# KiCad board Eclipse65.kicad_pcb (continued)
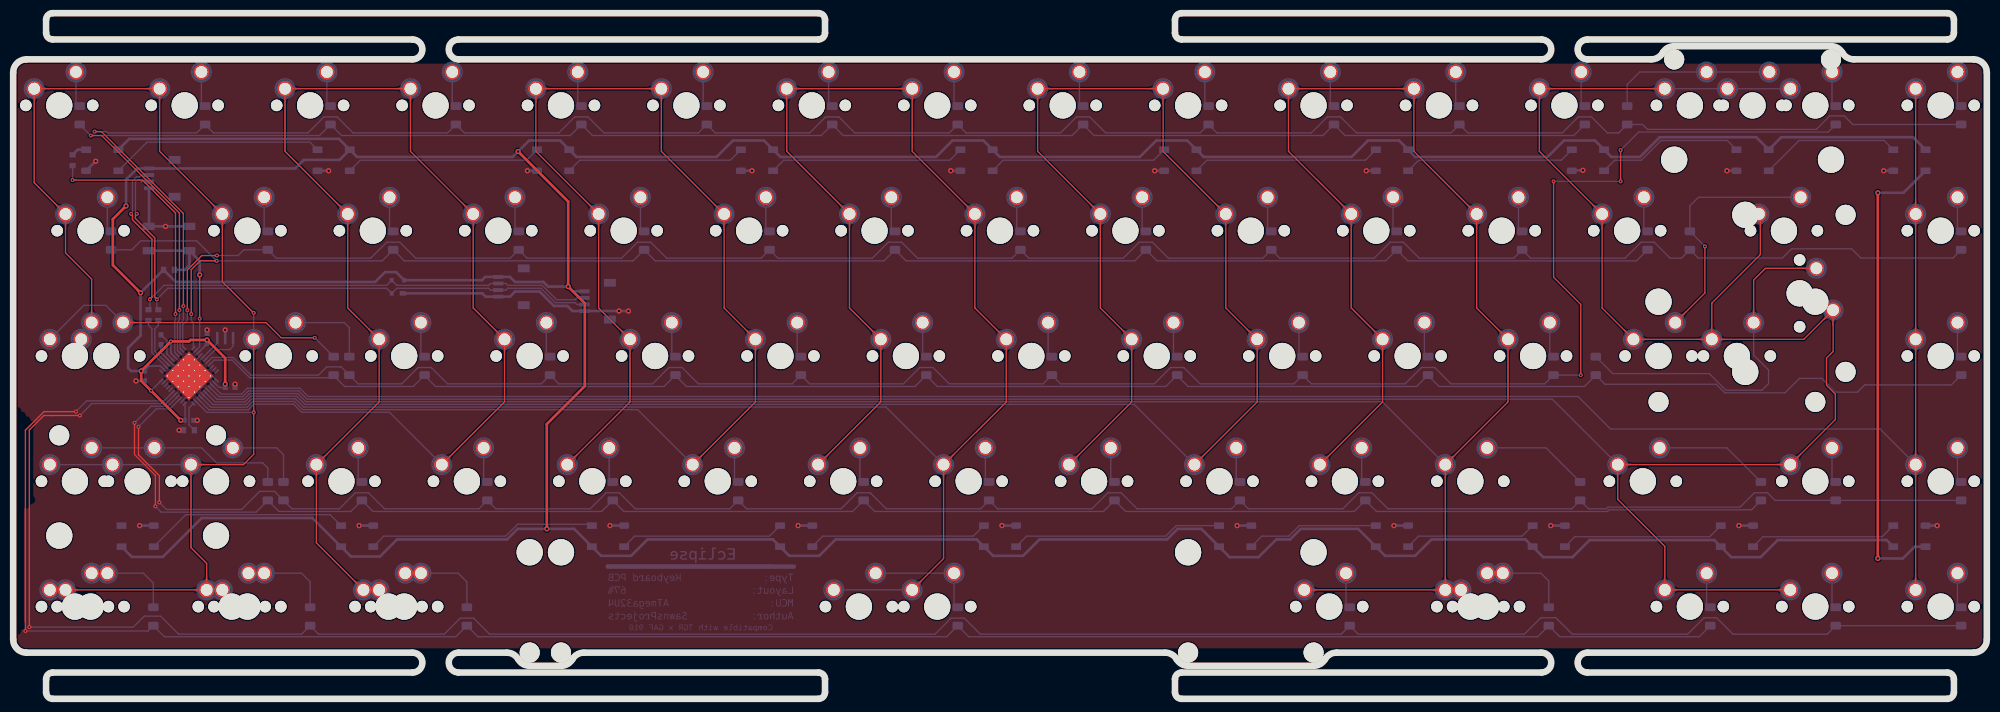
[diagram p0: board, top side]
## Copper pours and planes (outline as drawn; the poured copper is in the pictures) (continued)
Net-(D47-Pad2) on Bottom: 295.39,34.96 295.39,35.1 295.4,35.23 295.41,35.35 295.43,35.46 295.45,35.56 295.48,35.66 295.51,35.75 295.54,35.83 295.58,35.91 295.61,35.99 295.66,36.06 295.7,36.13 295.75,36.19 295.8,36.25 295.85,36.32 295.91,36.38 296.2,36.68 296.26,36.75 296.32,36.82 296.38,36.9 296.44,36.98 296.5,37.06 296.56,37.15 296.62,37.25 296.67,37.35 296.73,37.46 295.29,38.95 293.85,37.46 293.91,37.35 293.96,37.25 294.02,37.15 294.08,37.06 294.14,36.98 294.2,36.9 294.26,36.82 294.32,36.75 294.38,36.68 294.67,36.38 294.73,36.32 294.78,36.25 294.83,36.19 294.88,36.13 294.92,36.06 294.97,35.99 295,35.91 295.04,35.83 295.07,35.75 295.1,35.66 295.13,35.56 295.15,35.46 295.17,35.35 295.18,35.23 295.19,35.1 295.19,34.96
Net-(D48-Pad2) on Bottom: 295.39,16.71 295.39,16.82 295.4,16.91 295.41,17 295.42,17.08 295.43,17.16 295.45,17.23 295.47,17.3 295.5,17.36 295.52,17.42 295.55,17.48 295.58,17.53 295.62,17.58 295.65,17.63 295.69,17.68 296.07,18.11 296.11,18.16 296.16,18.22 296.2,18.29 296.24,18.35 296.29,18.42 296.33,18.5 296.37,18.58 295.29,19.7 294.21,18.58 294.25,18.5 294.29,18.42 294.34,18.35 294.38,18.29 294.42,18.22 294.47,18.16 294.51,18.11 294.89,17.68 294.93,17.63 294.96,17.58 295,17.53 295.03,17.48 295.06,17.42 295.08,17.36 295.11,17.3 295.13,17.23 295.15,17.16 295.16,17.08 295.17,17 295.18,16.91 295.19,16.82 295.19,16.71
Net-(D48-Pad2) on Bottom: 295.39,15.91 295.39,16.05 295.4,16.18 295.41,16.3 295.43,16.41 295.45,16.51 295.48,16.61 295.51,16.7 295.54,16.78 295.58,16.86 295.61,16.94 295.66,17.01 295.7,17.08 295.75,17.14 295.8,17.2 295.85,17.27 295.91,17.33 296.2,17.63 296.26,17.7 296.32,17.77 296.38,17.85 296.44,17.93 296.5,18.01 296.56,18.1 296.62,18.2 296.67,18.3 296.73,18.41 295.29,19.9 293.85,18.41 293.91,18.3 293.96,18.2 294.02,18.1 294.08,18.01 294.14,17.93 294.2,17.85 294.26,17.77 294.32,17.7 294.38,17.63 294.67,17.33 294.73,17.27 294.78,17.2 294.83,17.14 294.88,17.08 294.92,17.01 294.97,16.94 295,16.86 295.04,16.78 295.07,16.7 295.1,16.61 295.13,16.51 295.15,16.41 295.17,16.3 295.18,16.18 295.19,16.05 295.19,15.91
Net-(D49-Pad2) on Bottom: 15.11,38.25 14.97,38.26 14.85,38.27 14.73,38.28 14.62,38.29 14.51,38.32 14.42,38.34 14.33,38.37 14.24,38.4 14.16,38.44 14.09,38.48 14.02,38.52 13.95,38.57 13.89,38.62 13.82,38.67 13.76,38.72 13.7,38.77 13.39,39.06 13.32,39.12 13.25,39.18 13.18,39.24 13.1,39.3 13.02,39.36 12.93,39.42 12.83,39.48 12.73,39.54 12.62,39.59 11.12,38.15 12.62,36.71 12.73,36.77 12.83,36.83 12.93,36.89 13.02,36.95 13.1,37.01 13.18,37.07 13.25,37.13 13.32,37.19 13.39,37.25 13.7,37.54 13.76,37.59 13.82,37.64 13.89,37.69 13.95,37.74 14.02,37.79 14.09,37.83 14.16,37.87 14.24,37.91 14.33,37.94 14.42,37.97 14.51,37.99 14.62,38.02 14.73,38.03 14.85,38.04 14.97,38.05 15.11,38.05
Net-(D49-Pad2) on Bottom: 14.31,38.25 14.21,38.26 14.11,38.26 14.03,38.27 13.94,38.28 13.87,38.3 13.79,38.32 13.73,38.34 13.66,38.36 13.6,38.39 13.55,38.42 13.49,38.45 13.44,38.48 13.39,38.52 13.35,38.55 12.92,38.93 12.86,38.98 12.8,39.02 12.74,39.06 12.67,39.11 12.6,39.15 12.53,39.19 12.44,39.23 11.32,38.15 12.44,37.07 12.53,37.12 12.6,37.16 12.67,37.2 12.74,37.25 12.8,37.29 12.86,37.33 12.92,37.38 13.35,37.76 13.39,37.79 13.44,37.83 13.49,37.86 13.55,37.89 13.6,37.92 13.66,37.95 13.73,37.97 13.79,37.99 13.87,38.01 13.94,38.03 14.03,38.04 14.11,38.05 14.21,38.05 14.31,38.05
Net-(D49-Pad2) on Bottom: 18.26,38.05 18.39,38.05 18.52,38.04 18.64,38.03 18.75,38.02 18.85,37.99 18.95,37.97 19.04,37.94 19.12,37.91 19.2,37.87 19.28,37.83 19.35,37.79 19.42,37.74 19.48,37.69 19.55,37.64 19.61,37.59 19.67,37.54 19.98,37.25 20.04,37.19 20.11,37.13 20.19,37.07 20.27,37.01 20.35,36.95 20.44,36.89 20.54,36.83 20.64,36.77 20.75,36.71 22.25,38.15 20.75,39.59 20.64,39.54 20.54,39.48 20.44,39.42 20.35,39.36 20.27,39.3 20.19,39.24 20.11,39.18 20.04,39.12 19.98,39.06 19.67,38.77 19.61,38.72 19.55,38.67 19.48,38.62 19.42,38.57 19.35,38.52 19.28,38.48 19.2,38.44 19.12,38.4 19.04,38.37 18.95,38.34 18.85,38.32 18.75,38.29 18.64,38.28 18.52,38.27 18.39,38.26 18.26,38.25
Net-(D49-Pad2) on Bottom: 19.06,38.05 19.16,38.05 19.25,38.05 19.34,38.04 19.42,38.03 19.5,38.01 19.57,37.99 19.64,37.97 19.71,37.95 19.76,37.92 19.82,37.89 19.87,37.86 19.93,37.83 19.97,37.79 20.02,37.76 20.45,37.38 20.51,37.33 20.56,37.29 20.63,37.25 20.69,37.2 20.77,37.16 20.84,37.12 20.92,37.07 22.05,38.15 20.92,39.23 20.84,39.19 20.77,39.15 20.69,39.11 20.63,39.06 20.56,39.02 20.51,38.98 20.45,38.93 20.02,38.55 19.97,38.52 19.93,38.48 19.87,38.45 19.82,38.42 19.76,38.39 19.71,38.36 19.64,38.34 19.57,38.32 19.5,38.3 19.42,38.28 19.34,38.27 19.25,38.26 19.16,38.26 19.06,38.25
Net-(D49-Pad2) on Bottom: 24.64,38.25 24.5,38.26 24.37,38.27 24.25,38.28 24.14,38.29 24.04,38.32 23.94,38.34 23.85,38.37 23.77,38.4 23.69,38.44 23.61,38.48 23.54,38.52 23.48,38.57 23.41,38.62 23.35,38.67 23.29,38.72 23.23,38.77 22.92,39.06 22.85,39.12 22.78,39.18 22.7,39.24 22.63,39.3 22.54,39.36 22.45,39.42 22.36,39.48 22.25,39.54 22.14,39.59 20.65,38.15 22.14,36.71 22.25,36.77 22.36,36.83 22.45,36.89 22.54,36.95 22.63,37.01 22.7,37.07 22.78,37.13 22.85,37.19 22.92,37.25 23.23,37.54 23.29,37.59 23.35,37.64 23.41,37.69 23.48,37.74 23.54,37.79 23.61,37.83 23.69,37.87 23.77,37.91 23.85,37.94 23.94,37.97 24.04,37.99 24.14,38.02 24.25,38.03 24.37,38.04 24.5,38.05 24.64,38.05
Net-(D49-Pad2) on Bottom: 23.84,38.25 23.73,38.26 23.64,38.26 23.55,38.27 23.47,38.28 23.39,38.3 23.32,38.32 23.25,38.34 23.19,38.36 23.13,38.39 23.07,38.42 23.02,38.45 22.97,38.48 22.92,38.52 22.87,38.55 22.44,38.93 22.39,38.98 22.33,39.02 22.27,39.06 22.2,39.11 22.13,39.15 22.05,39.19 21.97,39.23 20.85,38.15 21.97,37.07 22.05,37.12 22.13,37.16 22.2,37.2 22.27,37.25 22.33,37.29 22.39,37.33 22.44,37.38 22.87,37.76 22.92,37.79 22.97,37.83 23.02,37.86 23.07,37.89 23.13,37.92 23.19,37.95 23.25,37.97 23.32,37.99 23.39,38.01 23.47,38.03 23.55,38.04 23.64,38.05 23.73,38.05 23.84,38.05
Net-(D49-Pad2) on Bottom: 38.57,34.16 38.13,33.24 38.67,32.67 39.21,33.24 38.77,34.16
Net-(D50-Pad2) on Bottom: 36.54,38.25 36.41,38.26 36.28,38.27 36.16,38.28 36.05,38.29 35.95,38.32 35.85,38.34 35.76,38.37 35.67,38.4 35.6,38.44 35.52,38.48 35.45,38.52 35.38,38.57 35.32,38.62 35.25,38.67 35.19,38.72 35.13,38.77 34.82,39.06 34.76,39.12 34.68,39.18 34.61,39.24 34.53,39.3 34.45,39.36 34.36,39.42 34.26,39.48 34.16,39.54 34.05,39.59 32.55,38.15 34.05,36.71 34.16,36.77 34.26,36.83 34.36,36.89 34.45,36.95 34.53,37.01 34.61,37.07 34.68,37.13 34.76,37.19 34.82,37.25 35.13,37.54 35.19,37.59 35.25,37.64 35.32,37.69 35.38,37.74 35.45,37.79 35.52,37.83 35.6,37.87 35.67,37.91 35.76,37.94 35.85,37.97 35.95,37.99 36.05,38.02 36.16,38.03 36.28,38.04 36.41,38.05 36.54,38.05
Net-(D50-Pad2) on Bottom: 35.74,38.25 35.64,38.26 35.55,38.26 35.46,38.27 35.37,38.28 35.3,38.3 35.22,38.32 35.16,38.34 35.09,38.36 35.03,38.39 34.98,38.42 34.92,38.45 34.87,38.48 34.82,38.52 34.78,38.55 34.35,38.93 34.29,38.98 34.23,39.02 34.17,39.06 34.1,39.11 34.03,39.15 33.96,39.19 33.88,39.23 32.75,38.15 33.88,37.07 33.96,37.12 34.03,37.16 34.1,37.2 34.17,37.25 34.23,37.29 34.29,37.33 34.35,37.38 34.78,37.76 34.82,37.79 34.87,37.83 34.92,37.86 34.98,37.89 35.03,37.92 35.09,37.95 35.16,37.97 35.22,37.99 35.3,38.01 35.37,38.03 35.46,38.04 35.55,38.05 35.64,38.05 35.74,38.05
Net-(D50-Pad2) on Bottom: 40.96,34.16 40.52,33.24 41.06,32.67 41.6,33.24 41.16,34.16
Net-(D51-Pad2) on Bottom: 52.5,34.96 52.51,35.1 52.51,35.23 52.53,35.35 52.54,35.46 52.56,35.56 52.59,35.66 52.62,35.75 52.65,35.83 52.69,35.91 52.73,35.99 52.77,36.06 52.82,36.13 52.86,36.19 52.91,36.25 52.97,36.32 53.02,36.38 53.31,36.68 53.37,36.75 53.43,36.82 53.49,36.9 53.55,36.98 53.61,37.06 53.67,37.15 53.73,37.25 53.79,37.35 53.84,37.46 52.4,38.95 50.96,37.46 51.02,37.35 51.08,37.25 51.13,37.15 51.19,37.06 51.25,36.98 51.31,36.9 51.37,36.82 51.43,36.75 51.49,36.68 51.79,36.38 51.84,36.32 51.89,36.25 51.94,36.19 51.99,36.13 52.03,36.06 52.08,35.99 52.12,35.91 52.15,35.83 52.19,35.75 52.22,35.66 52.24,35.56 52.26,35.46 52.28,35.35 52.29,35.23 52.3,35.1 52.3,34.96
Net-(D51-Pad2) on Bottom: 52.5,35.76 52.5,35.87 52.51,35.96 52.52,36.05 52.53,36.13 52.55,36.21 52.57,36.28 52.59,36.35 52.61,36.41 52.64,36.47 52.67,36.53 52.7,36.58 52.73,36.63 52.76,36.68 52.8,36.73 53.18,37.16 53.22,37.21 53.27,37.27 53.31,37.34 53.36,37.4 53.4,37.47 53.44,37.55 53.48,37.63 52.4,38.75 51.32,37.63 51.36,37.55 51.41,37.47 51.45,37.4 51.49,37.34 51.54,37.27 51.58,37.21 51.63,37.16 52,36.73 52.04,36.68 52.08,36.63 52.11,36.58 52.14,36.53 52.17,36.47 52.19,36.41 52.22,36.35 52.24,36.28 52.26,36.21 52.27,36.13 52.29,36.05 52.3,35.96 52.3,35.87 52.3,35.76
Net-(D52-Pad2) on Bottom: 71.55,34.96 71.56,35.1 71.56,35.23 71.58,35.35 71.59,35.46 71.61,35.56 71.64,35.66 71.67,35.75 71.7,35.83 71.74,35.91 71.78,35.99 71.82,36.06 71.87,36.13 71.91,36.19 71.96,36.25 72.02,36.32 72.07,36.38 72.36,36.68 72.42,36.75 72.48,36.82 72.54,36.9 72.6,36.98 72.66,37.06 72.72,37.15 72.78,37.25 72.84,37.35 72.89,37.46 71.45,38.95 70.01,37.46 70.07,37.35 70.13,37.25 70.18,37.15 70.24,37.06 70.3,36.98 70.36,36.9 70.42,36.82 70.48,36.75 70.54,36.68 70.84,36.38 70.89,36.32 70.94,36.25 70.99,36.19 71.04,36.13 71.08,36.06 71.13,35.99 71.17,35.91 71.2,35.83 71.24,35.75 71.27,35.66 71.29,35.56 71.31,35.46 71.33,35.35 71.34,35.23 71.35,35.1 71.35,34.96
Net-(D52-Pad2) on Bottom: 71.55,35.76 71.55,35.87 71.56,35.96 71.57,36.05 71.58,36.13 71.6,36.21 71.62,36.28 71.64,36.35 71.66,36.41 71.69,36.47 71.72,36.53 71.75,36.58 71.78,36.63 71.81,36.68 71.85,36.73 72.23,37.16 72.27,37.21 72.32,37.27 72.36,37.34 72.41,37.4 72.45,37.47 72.49,37.55 72.53,37.63 71.45,38.75 70.37,37.63 70.41,37.55 70.46,37.47 70.5,37.4 70.54,37.34 70.59,37.27 70.63,37.21 70.68,37.16 71.05,36.73 71.09,36.68 71.13,36.63 71.16,36.58 71.19,36.53 71.22,36.47 71.24,36.41 71.27,36.35 71.29,36.28 71.31,36.21 71.32,36.13 71.34,36.05 71.35,35.96 71.35,35.87 71.35,35.76
Net-(D53-Pad2) on Bottom: 90.6,34.96 90.61,35.1 90.61,35.23 90.63,35.35 90.64,35.46 90.66,35.56 90.69,35.66 90.72,35.75 90.75,35.83 90.79,35.91 90.83,35.99 90.87,36.06 90.92,36.13 90.96,36.19 91.01,36.25 91.07,36.32 91.12,36.38 91.41,36.68 91.47,36.75 91.53,36.82 91.59,36.9 91.65,36.98 91.71,37.06 91.77,37.15 91.83,37.25 91.89,37.35 91.94,37.46 90.5,38.95 89.06,37.46 89.12,37.35 89.18,37.25 89.23,37.15 89.29,37.06 89.35,36.98 89.41,36.9 89.47,36.82 89.53,36.75 89.59,36.68 89.89,36.38 89.94,36.32 89.99,36.25 90.04,36.19 90.09,36.13 90.13,36.06 90.18,35.99 90.22,35.91 90.25,35.83 90.29,35.75 90.32,35.66 90.34,35.56 90.36,35.46 90.38,35.35 90.39,35.23 90.4,35.1 90.4,34.96
Net-(D53-Pad2) on Bottom: 90.6,35.76 90.6,35.87 90.61,35.96 90.62,36.05 90.63,36.13 90.65,36.21 90.67,36.28 90.69,36.35 90.71,36.41 90.74,36.47 90.77,36.53 90.8,36.58 90.83,36.63 90.86,36.68 90.9,36.73 91.28,37.16 91.32,37.21 91.37,37.27 91.41,37.34 91.46,37.4 91.5,37.47 91.54,37.55 91.58,37.63 90.5,38.75 89.42,37.63 89.46,37.55 89.51,37.47 89.55,37.4 89.59,37.34 89.64,37.27 89.68,37.21 89.73,37.16 90.1,36.73 90.14,36.68 90.18,36.63 90.21,36.58 90.24,36.53 90.27,36.47 90.29,36.41 90.32,36.35 90.34,36.28 90.36,36.21 90.37,36.13 90.39,36.05 90.4,35.96 90.4,35.87 90.4,35.76
Net-(D54-Pad2) on Bottom: 109.65,34.96 109.66,35.1 109.66,35.23 109.68,35.35 109.69,35.46 109.71,35.56 109.74,35.66 109.77,35.75 109.8,35.83 109.84,35.91 109.88,35.99 109.92,36.06 109.97,36.13 110.01,36.19 110.06,36.25 110.12,36.32 110.17,36.38 110.46,36.68 110.52,36.75 110.58,36.82 110.64,36.9 110.7,36.98 110.76,37.06 110.82,37.15 110.88,37.25 110.94,37.35 110.99,37.46 109.55,38.95 108.11,37.46 108.17,37.35 108.23,37.25 108.28,37.15 108.34,37.06 108.4,36.98 108.46,36.9 108.52,36.82 108.58,36.75 108.64,36.68 108.94,36.38 108.99,36.32 109.04,36.25 109.09,36.19 109.14,36.13 109.18,36.06 109.23,35.99 109.27,35.91 109.3,35.83 109.34,35.75 109.37,35.66 109.39,35.56 109.41,35.46 109.43,35.35 109.44,35.23 109.45,35.1 109.45,34.96
Net-(D54-Pad2) on Bottom: 109.65,35.76 109.65,35.87 109.66,35.96 109.67,36.05 109.68,36.13 109.7,36.21 109.72,36.28 109.74,36.35 109.76,36.41 109.79,36.47 109.82,36.53 109.85,36.58 109.88,36.63 109.91,36.68 109.95,36.73 110.33,37.16 110.37,37.21 110.42,37.27 110.46,37.34 110.51,37.4 110.55,37.47 110.59,37.55 110.63,37.63 109.55,38.75 108.47,37.63 108.51,37.55 108.56,37.47 108.6,37.4 108.64,37.34 108.69,37.27 108.73,37.21 108.78,37.16 109.15,36.73 109.19,36.68 109.23,36.63 109.26,36.58 109.29,36.53 109.32,36.47 109.34,36.41 109.37,36.35 109.39,36.28 109.41,36.21 109.42,36.13 109.44,36.05 109.45,35.96 109.45,35.87 109.45,35.76
Net-(D55-Pad2) on Bottom: 128.7,34.96 128.71,35.1 128.71,35.23 128.73,35.35 128.74,35.46 128.76,35.56 128.79,35.66 128.82,35.75 128.85,35.83 128.89,35.91 128.93,35.99 128.97,36.06 129.02,36.13 129.06,36.19 129.11,36.25 129.17,36.32 129.22,36.38 129.51,36.68 129.57,36.75 129.63,36.82 129.69,36.9 129.75,36.98 129.81,37.06 129.87,37.15 129.93,37.25 129.99,37.35 130.04,37.46 128.6,38.95 127.16,37.46 127.22,37.35 127.28,37.25 127.33,37.15 127.39,37.06 127.45,36.98 127.51,36.9 127.57,36.82 127.63,36.75 127.69,36.68 127.99,36.38 128.04,36.32 128.09,36.25 128.14,36.19 128.19,36.13 128.23,36.06 128.28,35.99 128.32,35.91 128.35,35.83 128.39,35.75 128.42,35.66 128.44,35.56 128.46,35.46 128.48,35.35 128.49,35.23 128.5,35.1 128.5,34.96
Net-(D55-Pad2) on Bottom: 128.7,35.76 128.7,35.87 128.71,35.96 128.72,36.05 128.73,36.13 128.75,36.21 128.77,36.28 128.79,36.35 128.81,36.41 128.84,36.47 128.87,36.53 128.9,36.58 128.93,36.63 128.96,36.68 129,36.73 129.38,37.16 129.42,37.21 129.47,37.27 129.51,37.34 129.56,37.4 129.6,37.47 129.64,37.55 129.68,37.63 128.6,38.75 127.52,37.63 127.56,37.55 127.61,37.47 127.65,37.4 127.69,37.34 127.74,37.27 127.78,37.21 127.83,37.16 128.2,36.73 128.24,36.68 128.28,36.63 128.31,36.58 128.34,36.53 128.37,36.47 128.39,36.41 128.42,36.35 128.44,36.28 128.46,36.21 128.47,36.13 128.49,36.05 128.5,35.96 128.5,35.87 128.5,35.76
Net-(D56-Pad2) on Bottom: 147.75,34.96 147.76,35.1 147.76,35.23 147.78,35.35 147.79,35.46 147.81,35.56 147.84,35.66 147.87,35.75 147.9,35.83 147.94,35.91 147.98,35.99 148.02,36.06 148.07,36.13 148.11,36.19 148.16,36.25 148.22,36.32 148.27,36.38 148.56,36.68 148.62,36.75 148.68,36.82 148.74,36.9 148.8,36.98 148.86,37.06 148.92,37.15 148.98,37.25 149.04,37.35 149.09,37.46 147.65,38.95 146.21,37.46 146.27,37.35 146.33,37.25 146.38,37.15 146.44,37.06 146.5,36.98 146.56,36.9 146.62,36.82 146.68,36.75 146.74,36.68 147.04,36.38 147.09,36.32 147.14,36.25 147.19,36.19 147.24,36.13 147.28,36.06 147.33,35.99 147.37,35.91 147.4,35.83 147.44,35.75 147.47,35.66 147.49,35.56 147.51,35.46 147.53,35.35 147.54,35.23 147.55,35.1 147.55,34.96
Net-(D56-Pad2) on Bottom: 147.75,35.76 147.75,35.87 147.76,35.96 147.77,36.05 147.78,36.13 147.8,36.21 147.82,36.28 147.84,36.35 147.86,36.41 147.89,36.47 147.92,36.53 147.95,36.58 147.98,36.63 148.01,36.68 148.05,36.73 148.43,37.16 148.47,37.21 148.52,37.27 148.56,37.34 148.61,37.4 148.65,37.47 148.69,37.55 148.73,37.63 147.65,38.75 146.57,37.63 146.61,37.55 146.66,37.47 146.7,37.4 146.74,37.34 146.79,37.27 146.83,37.21 146.88,37.16 147.25,36.73 147.29,36.68 147.33,36.63 147.36,36.58 147.39,36.53 147.42,36.47 147.44,36.41 147.47,36.35 147.49,36.28 147.51,36.21 147.52,36.13 147.54,36.05 147.55,35.96 147.55,35.87 147.55,35.76
Net-(D57-Pad2) on Bottom: 166.8,34.96 166.81,35.1 166.81,35.23 166.83,35.35 166.84,35.46 166.86,35.56 166.89,35.66 166.92,35.75 166.95,35.83 166.99,35.91 167.03,35.99 167.07,36.06 167.12,36.13 167.16,36.19 167.21,36.25 167.27,36.32 167.32,36.38 167.61,36.68 167.67,36.75 167.73,36.82 167.79,36.9 167.85,36.98 167.91,37.06 167.97,37.15 168.03,37.25 168.09,37.35 168.14,37.46 166.7,38.95 165.26,37.46 165.32,37.35 165.38,37.25 165.43,37.15 165.49,37.06 165.55,36.98 165.61,36.9 165.67,36.82 165.73,36.75 165.79,36.68 166.09,36.38 166.14,36.32 166.19,36.25 166.24,36.19 166.29,36.13 166.33,36.06 166.38,35.99 166.42,35.91 166.45,35.83 166.49,35.75 166.52,35.66 166.54,35.56 166.56,35.46 166.58,35.35 166.59,35.23 166.6,35.1 166.6,34.96
Net-(D57-Pad2) on Bottom: 166.8,35.76 166.8,35.87 166.81,35.96 166.82,36.05 166.83,36.13 166.85,36.21 166.87,36.28 166.89,36.35 166.91,36.41 166.94,36.47 166.97,36.53 167,36.58 167.03,36.63 167.06,36.68 167.1,36.73 167.48,37.16 167.52,37.21 167.57,37.27 167.61,37.34 167.66,37.4 167.7,37.47 167.74,37.55 167.78,37.63 166.7,38.75 165.62,37.63 165.66,37.55 165.71,37.47 165.75,37.4 165.79,37.34 165.84,37.27 165.88,37.21 165.93,37.16 166.3,36.73 166.34,36.68 166.38,36.63 166.41,36.58 166.44,36.53 166.47,36.47 166.49,36.41 166.52,36.35 166.54,36.28 166.56,36.21 166.57,36.13 166.59,36.05 166.6,35.96 166.6,35.87 166.6,35.76
Net-(D58-Pad2) on Bottom: 185.85,34.96 185.86,35.1 185.86,35.23 185.88,35.35 185.89,35.46 185.91,35.56 185.94,35.66 185.97,35.75 186,35.83 186.04,35.91 186.08,35.99 186.12,36.06 186.17,36.13 186.21,36.19 186.26,36.25 186.32,36.32 186.37,36.38 186.66,36.68 186.72,36.75 186.78,36.82 186.84,36.9 186.9,36.98 186.96,37.06 187.02,37.15 187.08,37.25 187.14,37.35 187.19,37.46 185.75,38.95 184.31,37.46 184.37,37.35 184.43,37.25 184.48,37.15 184.54,37.06 184.6,36.98 184.66,36.9 184.72,36.82 184.78,36.75 184.84,36.68 185.14,36.38 185.19,36.32 185.24,36.25 185.29,36.19 185.34,36.13 185.38,36.06 185.43,35.99 185.47,35.91 185.5,35.83 185.54,35.75 185.57,35.66 185.59,35.56 185.61,35.46 185.63,35.35 185.64,35.23 185.65,35.1 185.65,34.96
Net-(D58-Pad2) on Bottom: 185.85,35.76 185.85,35.87 185.86,35.96 185.87,36.05 185.88,36.13 185.9,36.21 185.92,36.28 185.94,36.35 185.96,36.41 185.99,36.47 186.02,36.53 186.05,36.58 186.08,36.63 186.11,36.68 186.15,36.73 186.53,37.16 186.57,37.21 186.62,37.27 186.66,37.34 186.71,37.4 186.75,37.47 186.79,37.55 186.83,37.63 185.75,38.75 184.67,37.63 184.71,37.55 184.76,37.47 184.8,37.4 184.84,37.34 184.89,37.27 184.93,37.21 184.98,37.16 185.35,36.73 185.39,36.68 185.43,36.63 185.46,36.58 185.49,36.53 185.52,36.47 185.54,36.41 185.57,36.35 185.59,36.28 185.61,36.21 185.62,36.13 185.64,36.05 185.65,35.96 185.65,35.87 185.65,35.76
Net-(D59-Pad2) on Bottom: 204.9,34.96 204.91,35.1 204.91,35.23 204.93,35.35 204.94,35.46 204.96,35.56 204.99,35.66 205.02,35.75 205.05,35.83 205.09,35.91 205.13,35.99 205.17,36.06 205.22,36.13 205.26,36.19 205.31,36.25 205.37,36.32 205.42,36.38 205.71,36.68 205.77,36.75 205.83,36.82 205.89,36.9 205.95,36.98 206.01,37.06 206.07,37.15 206.13,37.25 206.19,37.35 206.24,37.46 204.8,38.95 203.36,37.46 203.42,37.35 203.48,37.25 203.53,37.15 203.59,37.06 203.65,36.98 203.71,36.9 203.77,36.82 203.83,36.75 203.89,36.68 204.19,36.38 204.24,36.32 204.29,36.25 204.34,36.19 204.39,36.13 204.43,36.06 204.48,35.99 204.52,35.91 204.55,35.83 204.59,35.75 204.62,35.66 204.64,35.56 204.66,35.46 204.68,35.35 204.69,35.23 204.7,35.1 204.7,34.96
Net-(D59-Pad2) on Bottom: 204.9,35.76 204.9,35.87 204.91,35.96 204.92,36.05 204.93,36.13 204.95,36.21 204.97,36.28 204.99,36.35 205.01,36.41 205.04,36.47 205.07,36.53 205.1,36.58 205.13,36.63 205.16,36.68 205.2,36.73 205.58,37.16 205.62,37.21 205.67,37.27 205.71,37.34 205.76,37.4 205.8,37.47 205.84,37.55 205.88,37.63 204.8,38.75 203.72,37.63 203.76,37.55 203.81,37.47 203.85,37.4 203.89,37.34 203.94,37.27 203.98,37.21 204.03,37.16 204.4,36.73 204.44,36.68 204.48,36.63 204.51,36.58 204.54,36.53 204.57,36.47 204.59,36.41 204.62,36.35 204.64,36.28 204.66,36.21 204.67,36.13 204.69,36.05 204.7,35.96 204.7,35.87 204.7,35.76
Net-(D60-Pad2) on Bottom: 227.04,38.25 226.91,38.26 226.78,38.27 226.66,38.28 226.55,38.29 226.45,38.32 226.35,38.34 226.26,38.37 226.17,38.4 226.1,38.44 226.02,38.48 225.95,38.52 225.88,38.57 225.82,38.62 225.75,38.67 225.69,38.72 225.63,38.77 225.32,39.06 225.26,39.12 225.18,39.18 225.11,39.24 225.03,39.3 224.95,39.36 224.86,39.42 224.76,39.48 224.66,39.54 224.55,39.59 223.05,38.15 224.55,36.71 224.66,36.77 224.76,36.83 224.86,36.89 224.95,36.95 225.03,37.01 225.11,37.07 225.18,37.13 225.26,37.19 225.32,37.25 225.63,37.54 225.69,37.59 225.75,37.64 225.82,37.69 225.88,37.74 225.95,37.79 226.02,37.83 226.1,37.87 226.17,37.91 226.26,37.94 226.35,37.97 226.45,37.99 226.55,38.02 226.66,38.03 226.78,38.04 226.91,38.05 227.04,38.05
Net-(D60-Pad2) on Bottom: 226.24,38.25 226.14,38.26 226.05,38.26 225.96,38.27 225.87,38.28 225.8,38.3 225.72,38.32 225.66,38.34 225.59,38.36 225.53,38.39 225.48,38.42 225.42,38.45 225.37,38.48 225.32,38.52 225.28,38.55 224.85,38.93 224.79,38.98 224.73,39.02 224.67,39.06 224.6,39.11 224.53,39.15 224.46,39.19 224.38,39.23 223.25,38.15 224.38,37.07 224.46,37.12 224.53,37.16 224.6,37.2 224.67,37.25 224.73,37.29 224.79,37.33 224.85,37.38 225.28,37.76 225.32,37.79 225.37,37.83 225.42,37.86 225.48,37.89 225.53,37.92 225.59,37.95 225.66,37.97 225.72,37.99 225.8,38.01 225.87,38.03 225.96,38.04 226.05,38.05 226.14,38.05 226.24,38.05
Net-(D60-Pad2) on Bottom: 237.07,33.75 237.41,32.78 238.19,32.76 238.18,33.54 237.21,33.89
Net-(D62-Pad2) on Bottom: 253.24,38.25 253.1,38.26 252.97,38.27 252.85,38.28 252.74,38.29 252.64,38.32 252.54,38.34 252.45,38.37 252.37,38.4 252.29,38.44 252.21,38.48 252.14,38.52 252.08,38.57 252.01,38.62 251.95,38.67 251.89,38.72 251.83,38.77 251.52,39.06 251.45,39.12 251.38,39.18 251.3,39.24 251.23,39.3 251.14,39.36 251.05,39.42 250.96,39.48 250.85,39.54 250.74,39.59 249.25,38.15 250.74,36.71 250.85,36.77 250.96,36.83 251.05,36.89 251.14,36.95 251.23,37.01 251.3,37.07 251.38,37.13 251.45,37.19 251.52,37.25 251.83,37.54 251.89,37.59 251.95,37.64 252.01,37.69 252.08,37.74 252.14,37.79 252.21,37.83 252.29,37.87 252.37,37.91 252.45,37.94 252.54,37.97 252.64,37.99 252.74,38.02 252.85,38.03 252.97,38.04 253.1,38.05 253.24,38.05
Net-(D62-Pad2) on Bottom: 252.44,38.25 252.33,38.26 252.24,38.26 252.15,38.27 252.07,38.28 251.99,38.3 251.92,38.32 251.85,38.34 251.79,38.36 251.73,38.39 251.67,38.42 251.62,38.45 251.57,38.48 251.52,38.52 251.47,38.55 251.04,38.93 250.99,38.98 250.93,39.02 250.87,39.06 250.8,39.11 250.73,39.15 250.65,39.19 250.57,39.23 249.45,38.15 250.57,37.07 250.65,37.12 250.73,37.16 250.8,37.2 250.87,37.25 250.93,37.29 250.99,37.33 251.04,37.38 251.47,37.76 251.52,37.79 251.57,37.83 251.62,37.86 251.67,37.89 251.73,37.92 251.79,37.95 251.85,37.97 251.92,37.99 251.99,38.01 252.07,38.03 252.15,38.04 252.24,38.05 252.33,38.05 252.44,38.05
Net-(D62-Pad2) on Bottom: 264.53,33.75 264.88,32.78 265.66,32.76 265.64,33.54 264.67,33.89
Net-(D63-Pad2) on Bottom: 276.34,34.96 276.34,35.1 276.35,35.23 276.36,35.35 276.38,35.46 276.4,35.56 276.43,35.66 276.46,35.75 276.49,35.83 276.53,35.91 276.56,35.99 276.61,36.06 276.65,36.13 276.7,36.19 276.75,36.25 276.8,36.32 276.86,36.38 277.15,36.68 277.21,36.75 277.27,36.82 277.33,36.9 277.39,36.98 277.45,37.06 277.51,37.15 277.57,37.25 277.62,37.35 277.68,37.46 276.24,38.95 274.8,37.46 274.86,37.35 274.91,37.25 274.97,37.15 275.03,37.06 275.09,36.98 275.15,36.9 275.21,36.82 275.27,36.75 275.33,36.68 275.62,36.38 275.68,36.32 275.73,36.25 275.78,36.19 275.83,36.13 275.87,36.06 275.92,35.99 275.95,35.91 275.99,35.83 276.02,35.75 276.05,35.66 276.08,35.56 276.1,35.46 276.12,35.35 276.13,35.23 276.14,35.1 276.14,34.96
Net-(D63-Pad2) on Bottom: 276.34,35.76 276.34,35.87 276.35,35.96 276.36,36.05 276.37,36.13 276.38,36.21 276.4,36.28 276.42,36.35 276.45,36.41 276.47,36.47 276.5,36.53 276.53,36.58 276.57,36.63 276.6,36.68 276.64,36.73 277.02,37.16 277.06,37.21 277.11,37.27 277.15,37.34 277.19,37.4 277.24,37.47 277.28,37.55 277.32,37.63 276.24,38.75 275.16,37.63 275.2,37.55 275.24,37.47 275.29,37.4 275.33,37.34 275.37,37.27 275.42,37.21 275.46,37.16 275.84,36.73 275.88,36.68 275.91,36.63 275.95,36.58 275.98,36.53 276.01,36.47 276.03,36.41 276.06,36.35 276.08,36.28 276.1,36.21 276.11,36.13 276.12,36.05 276.13,35.96 276.14,35.87 276.14,35.76
Net-(D65-Pad2) on Bottom: 17.49,19.2 17.36,19.21 17.23,19.22 17.11,19.23 17,19.24 16.9,19.27 16.8,19.29 16.71,19.32 16.62,19.35 16.55,19.39 16.47,19.43 16.4,19.47 16.33,19.52 16.27,19.57 16.2,19.62 16.14,19.67 16.08,19.72 15.77,20.01 15.71,20.07 15.63,20.13 15.56,20.19 15.48,20.25 15.4,20.31 15.31,20.37 15.21,20.43 15.11,20.49 15,20.54 13.5,19.1 15,17.66 15.11,17.72 15.21,17.78 15.31,17.84 15.4,17.9 15.48,17.96 15.56,18.02 15.63,18.08 15.71,18.14 15.77,18.2 16.08,18.49 16.14,18.54 16.2,18.59 16.27,18.64 16.33,18.69 16.4,18.74 16.47,18.78 16.55,18.82 16.62,18.86 16.71,18.89 16.8,18.92 16.9,18.94 17,18.97 17.11,18.98 17.23,18.99 17.36,19 17.49,19
Net-(D65-Pad2) on Bottom: 16.69,19.2 16.59,19.21 16.5,19.21 16.41,19.22 16.32,19.23 16.25,19.25 16.17,19.27 16.11,19.29 16.04,19.31 15.98,19.34 15.93,19.37 15.87,19.4 15.82,19.43 15.77,19.47 15.73,19.5 15.3,19.88 15.24,19.93 15.18,19.97 15.12,20.01 15.05,20.06 14.98,20.1 14.91,20.14 14.83,20.18 13.7,19.1 14.83,18.02 14.91,18.07 14.98,18.11 15.05,18.15 15.12,18.2 15.18,18.24 15.24,18.28 15.3,18.33 15.73,18.71 15.77,18.74 15.82,18.78 15.87,18.81 15.93,18.84 15.98,18.87 16.04,18.9 16.11,18.92 16.17,18.94 16.25,18.96 16.32,18.98 16.41,18.99 16.5,19 16.59,19 16.69,19
Net-(D65-Pad2) on Bottom: 21.19,15.11 20.75,14.19 21.29,13.62 21.83,14.19 21.39,15.11
Net-(D66-Pad2) on Bottom: 45,15.11 44.56,14.19 45.1,13.62 45.64,14.19 45.2,15.11
Net-(D66-Pad2) on Bottom: 41.31,19.2 41.17,19.21 41.04,19.22 40.92,19.23 40.81,19.24 40.71,19.27 40.61,19.29 40.52,19.32 40.44,19.35 40.36,19.39 40.28,19.43 40.21,19.47 40.14,19.52 40.08,19.57 40.02,19.62 39.95,19.67 39.89,19.72 39.59,20.01 39.52,20.07 39.45,20.13 39.37,20.19 39.29,20.25 39.21,20.31 39.12,20.37 39.02,20.43 38.92,20.49 38.81,20.54 37.32,19.1 38.81,17.66 38.92,17.72 39.02,17.78 39.12,17.84 39.21,17.9 39.29,17.96 39.37,18.02 39.45,18.08 39.52,18.14 39.59,18.2 39.89,18.49 39.95,18.54 40.02,18.59 40.08,18.64 40.14,18.69 40.21,18.74 40.28,18.78 40.36,18.82 40.44,18.86 40.52,18.89 40.61,18.92 40.71,18.94 40.81,18.97 40.92,18.98 41.04,18.99 41.17,19 41.31,19
Net-(D66-Pad2) on Bottom: 40.51,19.2 40.4,19.21 40.31,19.21 40.22,19.22 40.14,19.23 40.06,19.25 39.99,19.27 39.92,19.29 39.86,19.31 39.8,19.34 39.74,19.37 39.69,19.4 39.64,19.43 39.59,19.47 39.54,19.5 39.11,19.88 39.06,19.93 39,19.97 38.93,20.01 38.87,20.06 38.8,20.1 38.72,20.14 38.64,20.18 37.52,19.1 38.64,18.02 38.72,18.07 38.8,18.11 38.87,18.15 38.93,18.2 39,18.24 39.06,18.28 39.11,18.33 39.54,18.71 39.59,18.74 39.64,18.78 39.69,18.81 39.74,18.84 39.8,18.87 39.86,18.9 39.92,18.92 39.99,18.94 40.06,18.96 40.14,18.98 40.22,18.99 40.31,19 40.4,19 40.51,19
Net-(D67-Pad2) on Bottom: 68.81,15.11 68.37,14.19 68.91,13.62 69.45,14.19 69.01,15.11
